# Altium PCB VFDDriver.PcbDoc
Units mm, origin at the board's own origin, x right, y up, seen from the top; angles counter-clockwise.
Board outline 167.77 x 28.19 mm, 2 copper layers (Top Layer, Bottom Layer); 75 components, 100 nets, 288 pads, 108 vias.
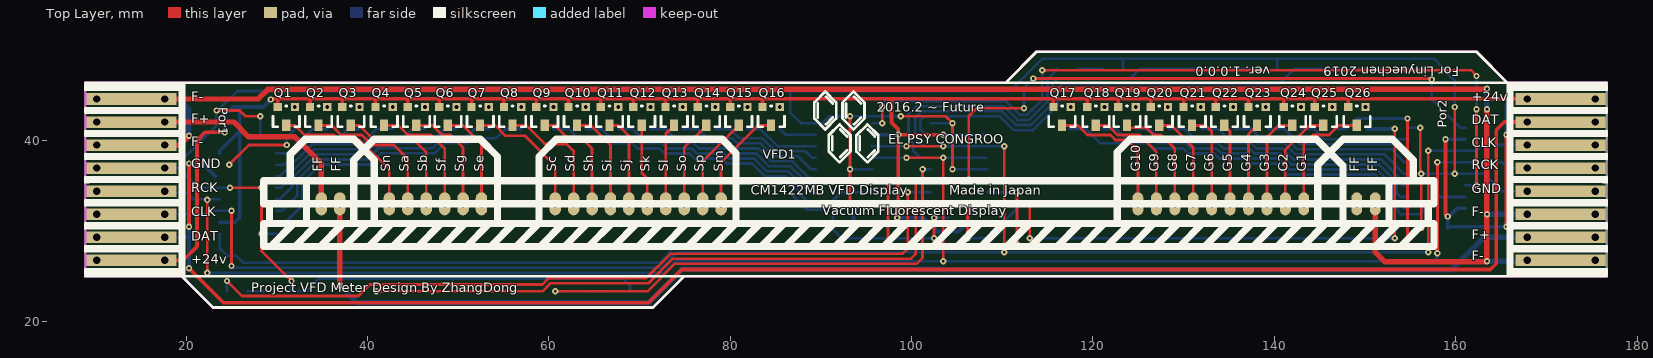
[diagram p0: Top Layer view]
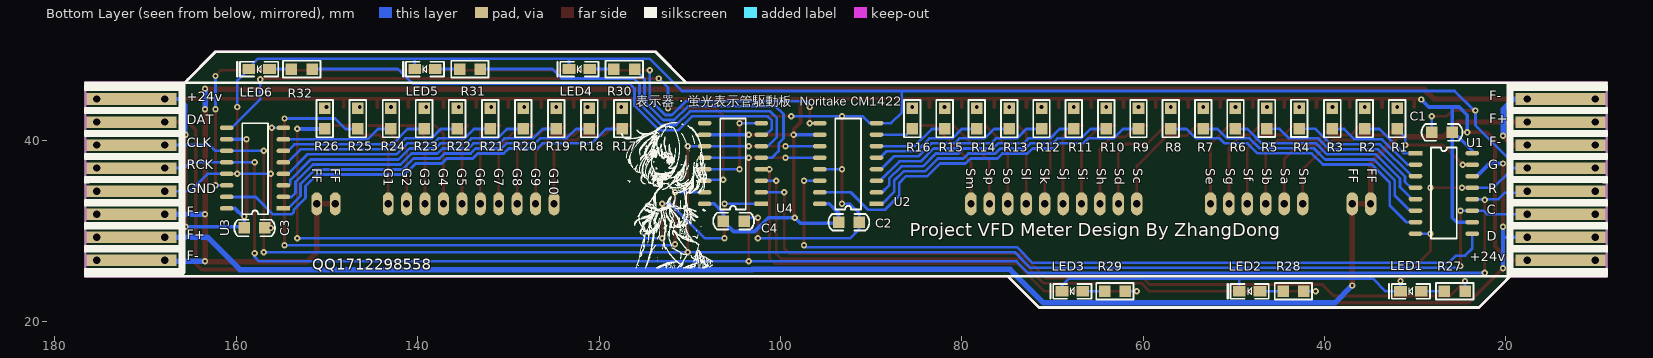
[diagram p1: Bottom Layer view, seen from below]
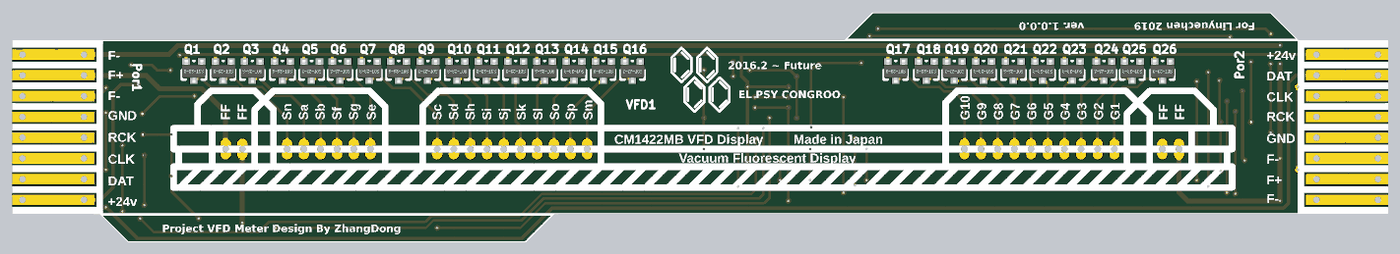
[diagram p2: 3D render of the assembled board from above, using the file's embedded part models]
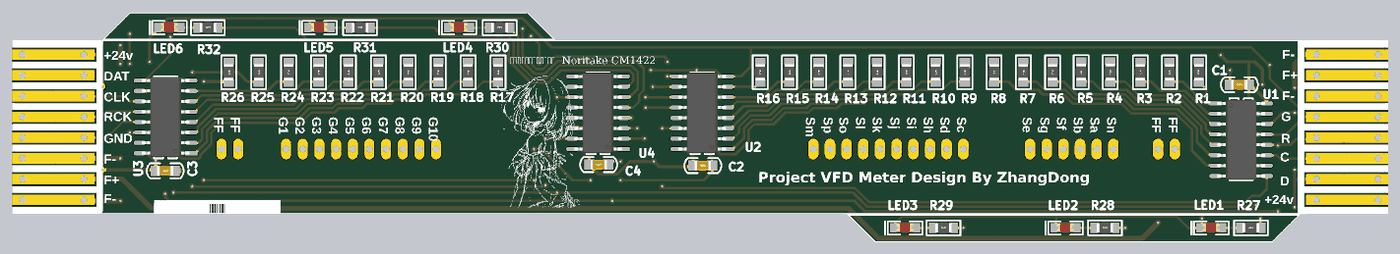
[diagram p3: 3D render of the assembled board from below, using the file's embedded part models]

## Layer stack, top to bottom
Top Solder: solder mask 0.0102, Solder Resist, Dk 3.5
Top Layer: signal copper 0.0356
Dielectric 1: dielectric 0.32, FR-4, Dk 4.8
Bottom Layer: signal copper 0.0356
Bottom Solder: solder mask 0.0102, Solder Resist, Dk 3.5

## Board outline
22.987,21.59 19.558,25.019 8.89,25.019 8.89,46.355 110.363,46.355 113.792,49.784 162.306,49.784 165.735,46.355 176.657,46.355 176.657,25.019 74.93,25.019 71.501,21.59

## Design rules (kind name [scope] priority, off if disabled: settings)
Clearance [All] p1: gap=0.254 ignorepadtopadclearanceinfootprint=FALSE except(0: Arc-Hole Track-Hole SMDPad-Hole THPad-Hole Via-Hole Fill-Hole Poly-Hole Region-Hole Text-Hole)
PolygonConnect [All] p1: connectstyle=Relief reliefconductorwidth=0.254 reliefentries=4 polygonreliefangle="90 Angle" airgapwidth=0.254
RoutingVias [All] p1: holewidth=0.3 width=0.7 viastyle="Through Hole" minholewidth=0.2 minwidth=0.6 maxholewidth=5 maxwidth=5
SolderMaskExpansion [All] p1: expansion=0.102
Width [All] p1: maxlimit=1 minlimit=0.3 preferedwidth=0.3
30 further rules are at their usual default settings.

## Components (designator, comment, footprint, x,y, rotation, side; value= is the part's Value field where it differs from the comment)
C1 "104" "C 0805" 27.051,40.894 r180 bottom
C2 "104" "C 0805" 92.456,30.988 r0 bottom
C3 "104" "C 0805" 157.988,30.353 r0 bottom
C4 "104" "C 0805" 105.156,31.115 r0 bottom
LED1 "LED" 0805D 29.337,23.368 r0 bottom
LED2 "LED" 0805D 47.117,23.368 r0 bottom
LED3 "LED" 0805D 66.675,23.368 r0 bottom
LED4 "LED" 0805D 121.031,47.879 r0 bottom
LED5 "LED" 0805D 138.049,47.879 r0 bottom
LED6 "LED" 0805D 156.337,47.879 r0 bottom
Por1 "P1" FP8 10.16,26.797 r90 top
Por2 "P2" FP8 175.387,44.577 r270 top
Q1 "PNP" SOT-23 30.988,41.656 r180 top
Q2 "PNP" SOT-23 34.552,41.656 r180 top
Q3 "PNP" SOT-23 38.117,41.656 r180 top
Q4 "PNP" SOT-23 41.783,41.656 r180 top
Q5 "PNP" SOT-23 45.339,41.656 r180 top
Q6 "PNP" SOT-23 48.81,41.656 r180 top
Q7 "PNP" SOT-23 52.375,41.656 r180 top
Q8 "PNP" SOT-23 55.939,41.656 r180 top
Q9 "PNP" SOT-23 59.504,41.656 r180 top
Q10 "PNP" SOT-23 63.068,41.656 r180 top
Q11 "PNP" SOT-23 66.633,41.656 r180 top
Q12 "PNP" SOT-23 70.197,41.656 r180 top
Q13 "PNP" SOT-23 73.762,41.656 r180 top
Q14 "PNP" SOT-23 77.326,41.656 r180 top
Q15 "PNP" SOT-23 80.891,41.656 r180 top
Q16 "PNP" SOT-23 84.455,41.656 r180 top
Q17 "PNP" SOT-23 116.535,41.656 r180 top
Q18 "PNP" SOT-23 120.269,41.656 r180 top
Q19 "PNP" SOT-23 123.698,41.656 r180 top
Q20 "PNP" SOT-23 127.254,41.656 r180 top
Q21 "PNP" SOT-23 130.886,41.656 r180 top
Q22 "PNP" SOT-23 134.442,41.656 r180 top
Q23 "PNP" SOT-23 138.049,41.656 r180 top
Q24 "PNP" SOT-23 141.935,41.656 r180 top
Q25 "PNP" SOT-23 145.364,41.656 r180 top
Q26 "PNP" SOT-23 149.047,41.656 r180 top
R1 "1K" "R 0805" 32.004,42.418 r90 bottom
R2 "1K" "R 0805" 35.568,42.418 r90 bottom
R3 "1K" "R 0805" 39.133,42.418 r270 bottom
R4 "1K" "R 0805" 42.799,42.433 r270 bottom
R5 "1K" "R 0805" 46.355,42.433 r270 bottom
R6 "1K" "R 0805" 49.826,42.418 r270 bottom
R7 "1K" "R 0805" 53.391,42.418 r270 bottom
R8 "1K" "R 0805" 56.955,42.418 r270 bottom
R9 "1K" "R 0805" 60.52,42.418 r270 bottom
R10 "1K" "R 0805" 64.084,42.418 r270 bottom
R11 "1K" "R 0805" 67.649,42.418 r270 bottom
R12 "1K" "R 0805" 71.213,42.418 r270 bottom
R13 "1K" "R 0805" 74.778,42.418 r270 bottom
R14 "1K" "R 0805" 78.342,42.418 r270 bottom
R15 "1K" "R 0805" 81.907,42.418 r270 bottom
R16 "1K" "R 0805" 85.471,42.418 r270 bottom
R17 "1K" "R 0805" 117.424,42.418 r270 bottom
R18 "1K" "R 0805" 121.071,42.418 r270 bottom
R19 "1K" "R 0805" 124.717,42.418 r270 bottom
R20 "1K" "R 0805" 128.363,42.418 r270 bottom
R21 "1K" "R 0805" 132.009,42.418 r270 bottom
R22 "1K" "R 0805" 135.656,42.418 r270 bottom
R23 "1K" "R 0805" 139.302,42.418 r270 bottom
R24 "1K" "R 0805" 142.948,42.418 r270 bottom
R25 "1K" "R 0805" 146.595,42.418 r270 bottom
R26 "1K" "R 0805" 150.241,42.418 r270 bottom
R27 "1K" "R 0805" 25.654,23.368 r180 bottom
R28 "1K" "R 0805" 43.434,23.368 r180 bottom
R29 "1K" "R 0805" 63.119,23.368 r180 bottom
R30 "1K" "R 0805" 117.221,47.879 r180 bottom
R31 "1K" "R 0805" 134.239,47.879 r180 bottom
R32 "1K" "R 0805" 152.781,47.879 r180 bottom
U1 "74LS595" SOP-16 26.797,34.163 r180 bottom
U2 "74LS595" SOP-16 92.583,37.465 r0 bottom
U3 "74LS595" SOP-16 157.988,36.957 r0 bottom
U4 "74LS595" SOP-16 105.283,37.466 r0 bottom
VFD1 "CM1422MB" VFD2.5 28.575,28.321 r0 top locked

## Footprints (in the part's own frame and the unit in brackets; to place one, negate y for a bottom-side part, rotate by r counter-clockwise, add the part's x,y. Pads: shape width x height; smd on the part's side, far side on the other; paste and mask are expansions set on the pad)
0805D [mil]
  rect 55x45 smd: 1(0,0) 2(90,0)
  silkscreen extent -38,-32 140,32, body extent 6,-27 86,23, height 43
"C 0805" [mil] "无极性贴片电容"
  rect 50x50 smd: 1(-45,0) 2(45,0)
  silkscreen extent -89,-36 89,36, body extent -39,-24 39,24, height 20
FP8 [mm]
  rect 1.27x5.08 hole 0.8 copper offset 0,-1.27: 1(0,0) 2(2.54,0) 3(5.08,0) 4(7.62,0) 5(10.16,0) 6(12.7,0) 7(15.24,0) 8(17.78,0)
  rect 1.27x5.08 hole 0.8 copper offset 0,1.27: 1(0,-7.493) 2(2.54,-7.493) 3(5.08,-7.493) 4(7.62,-7.493) 5(10.16,-7.493) 6(12.7,-7.493) 7(15.24,-7.493) 8(17.78,-7.493)
  silkscreen extent -1.52,-9.4 19.3,1.27
"R 0805" [mil] "1/8W贴片电阻"
  rect 50x50 smd: 1(-45,0) 2(45,0)
  silkscreen extent -81,-36 81,36, body extent -39,-25 39,25, height 20
SOP-16 [mm]
  rect 1.5x0.5 smd: 1(-3.175,4.445)
  oval 1.5x0.5 smd: 2(-3.175,3.175) 3(-3.175,1.905) 4(-3.175,0.635) 5(-3.175,-0.635) 6(-3.175,-1.905) 7(-3.175,-3.175) 8(-3.175,-4.445) 9(3.079,-4.445) 10(3.079,-3.175) 11(3.079,-1.905) 12(3.079,-0.635) 13(3.079,0.635) 14(3.079,1.905) 15(3.079,3.175) 16(3.079,4.445)
  silkscreen extent -1.46,-4.95 1.37,5.08, body extent -2.95,-4.9 2.85,4.9, height 1.75
SOT-23 [mil]
  rect 36x50 smd: 1(-2,0)
  rect 36x36 smd: 2(35,-80) 3(-40,-80)
  silkscreen extent -60,-85 55,5, body extent -60,-90 54,20, height 47
VFD2.5 [mil]
  oval 50x100 hole 31.5: 0(250,185) 0(330,185) 1(545,185) 2(625,185) 3(705,185) 4(785,185) 5(865,185) 6(945,185) 7(1265,185) 8(1345,185) 9(1425,185) 10(1505,185) 11(1585,185) 12(1665,185) 13(1745,185) 14(1825,185) 15(1905,185) 16(1985,185)
  oval 47.24x100 hole 31.5: 17(3795,185) 18(3875,185) 19(3955,185) 20(4035,185) 21(4115,185) 22(4195,185) 23(4275,185) 24(4355,185) 25(4435,185) 26(4515,185) 27(4745,185) 27(4825,185)
  silkscreen extent 0,0 5080,465

## Part data
C1 C2 C3 C4: library part C, "无极性贴片电容"
Por1 Por2: library part Header
R1 R2 R3 R4 R5 R6 R7 R8 R9 R10 R11 R12 R13 R14 R15 R16 R17 R18 R19 R20 R21 R22 R23 R24 R25 R26 R27 R28 R29 R30 R31 R32: library part R, "贴片电阻"
LED1 LED2 LED3 LED4 LED5 LED6: LatestRevisionDate=08-Jul-2005, LatestRevisionNote="Mech Layer 1 removed.", PackageDescription="LED; 2 Leads", PackageReference=LED-0, Published=8-Jun-2000, Publisher="Altium Limited"

## Via types
v1: diameter 0.7, hole 0.3, Top Layer to Bottom Layer, tented both sides, 80 vias
v2: diameter 0.8, hole 0.4, Top Layer to Bottom Layer, tented both sides, 26 vias
v3: diameter 0.7, hole 0.3, Top Layer to Bottom Layer, 2 vias

## Nets (pads, with @x,y where several pads share a name; then routed paths per layer and width w, separated by ;. In a path a pad name is that pad's centre, name@x,y a point inside that pad or via, vN(x,y) a via of type N, cw(c..) or ccw(c..) an arc to the next point about the centre after c; other vN are vias at no path point)
+24V: C1.2 C2.2 C3.2 C4.2 Por1.1 Por2.1 Q1.2 Q2.2 Q3.2 Q4.2 Q5.2 Q6.2 Q7.2 Q8.2 Q9.2 Q10.2 Q11.2 Q12.2 Q13.2 Q14.2 Q15.2 Q16.2 Q17.2 Q18.2 Q19.2 Q20.2 Q21.2 Q22.2 Q23.2 Q24.2 Q25.2 Q26.2 U1.10 U1.16 U2.10 U2.16 U3.10 U3.16 U4.10 U4.16 | length 292.5
  Top Layer w0.4: Por1.1@17.653,26.797 19.685,26.797 21.209,28.321 21.209,40.005 22.098,40.894 v1(24.257,40.894) ; v1(29.337,44.515) 29.422,44.599 30.099,44.599 ; Q1.2 30.099,44.599 ; 30.734,44.599 30.099,44.599 ; Q2.2 33.663,44.481 33.782,44.599 ; Q3.2 37.228,44.489 37.338,44.599 ; Q4.2 40.894,44.472 41.021,44.599 ; Q5.2 44.45,44.599 ; Q6.2 47.921,44.515 48.006,44.599 ; Q7.2 51.486,44.523 51.562,44.599 ; Q8.2 55.05,44.404 55.245,44.599 ; Q9.2 58.615,44.54 58.674,44.599 ; Q10.2 62.179,44.548 62.23,44.599 ; Q11.2 65.744,44.557 65.786,44.599 ; Q12.2 69.308,44.565 69.342,44.599 ; Q13.2 72.873,44.574 72.898,44.599 ; Q14.2 76.437,44.582 76.454,44.599 ; Q15.2 80.002,44.591 80.01,44.599 ; Q16.2 83.566,44.599 ; v1(98.425,31.496) 98.552,31.623 v1(98.552,40.64) ; v1(103.505,40.641) v1(98.552,40.64) v1(98.552,40.64) ; Q17.2 115.646,44.523 115.57,44.599 ; Q18.2 119.38,44.576 119.403,44.599 ; Q19.2 122.809,44.472 122.936,44.599 ; Q20.2 126.365,44.599 ; Q21.2 129.997,44.523 129.921,44.599 ; Q22.2 133.553,44.548 133.604,44.599 ; Q23.2 137.16,44.599 ; Q24.2 141.046,44.523 140.97,44.599 ; Q25.2 144.475,44.548 144.526,44.599 ; Q26.2 148.158,44.548 148.209,44.599 ; v1(158.877,40.132) 158.877,31.877 v1(159.131,31.623) ; v3(165.608,30.48) v3(165.608,40.64) ; Por2.1@167.894,44.577 167.894,44.599 148.209,44.599 ; 30.099,44.599 33.782,44.599 ; 33.782,44.599 37.338,44.599 ; 37.338,44.599 41.021,44.599 ; 41.021,44.599 44.45,44.599 ; 44.45,44.599 48.006,44.599 ; 48.006,44.599 51.562,44.599 ; 51.562,44.599 55.245,44.599 ; 55.245,44.599 58.674,44.599 ; 58.674,44.599 62.23,44.599 ; 62.23,44.599 65.786,44.599 ; 65.786,44.599 69.342,44.599 ; 69.342,44.599 72.898,44.599 ; 72.898,44.599 76.454,44.599 ; 76.454,44.599 80.01,44.599 ; 80.01,44.599 83.566,44.599 ; 83.566,44.599 97.812,44.599 ; 97.812,44.599 97.79,44.577 97.79,41.987 98.552,41.225 v1(98.552,40.64) ; 97.812,44.599 115.57,44.599 ; 115.57,44.599 119.403,44.599 ; 119.403,44.599 122.936,44.599 ; 122.936,44.599 126.365,44.599 ; 126.365,44.599 129.921,44.599 ; 129.921,44.599 133.604,44.599 ; 133.604,44.599 137.16,44.599 ; 137.16,44.599 140.97,44.599 ; 140.97,44.599 144.526,44.599 ; 144.526,44.599 148.209,44.599
  Bottom Layer w0.4: U1.10 25.4,30.988 25.908,31.496 C1.2 C1.2@25.908,41.059 ; U1.16 23.718,38.869 C1.2@25.908,41.059 ; v1(24.257,40.894) 24.257,42.799 25.146,43.688 25.908,43.688 ; v1(29.337,44.515) 29.329,44.515 28.502,43.688 25.908,43.688 ; U2.16 94.615,33.02 93.599,32.004 C2.2 93.599,30.861 97.79,30.861 v1(98.425,31.496) 101.34,31.496 102.864,29.972 105.171,29.972 106.299,31.1 C4.2 106.299,32.004 107.316,33.021 U4.16 ; U2.10 v1(98.552,40.64) ; v1(103.505,40.641) U4.10 ; v1(158.877,40.132) U3.10 ; v1@159.131,31.496 C3.2 159.258,30.48 v3(165.608,30.48) ; v1@159.195,31.559 160.147,32.512 U3.16 ; v3(165.608,40.64) 165.608,43.942 166.243,44.577 Por2.1@167.894,44.577 ; C1.2@25.908,41.059 25.908,43.688
CLK: Por1.3 Por2.3 U1.11 U2.11 U3.11 U4.11 | length 195.2
  Top Layer w0.3: v1@25.019,26.035 v1(25.019,26.162) v1(25.019,32.258) ; v1(99.441,39.371) v1(103.505,39.37) v1(103.505,39.37) ; v1(110.236,27.686) v1(110.236,39.37) ; v1(156.972,27.686) v1(156.972,38.862)
  Bottom Layer w0.3: Por1.3@17.653,31.877 22.098,31.877 22.479,32.258 U1.11 v1(25.019,32.258) ; v1(25.019,26.162) 25.227,25.954 72.436,25.954 74.168,27.686 v1(110.236,27.686) 156.845,27.686 156.972,27.813 v1(156.972,27.686) ; U2.11 95.663,39.371 v1(99.441,39.371) ; v1(103.505,39.37) U4.11@108.235,39.37 ; U4.11 v1(110.236,39.37) v1(110.236,39.37) ; v1(156.972,38.862) U3.11 162.306,38.862 162.941,39.497 Por2.3@167.894,39.497
DAT: Por1.2 Por2.2 U1.14 | length 183.8
  Top Layer w0.4: v1(20.32,25.908) 24.13,22.098 70.993,22.098 74.676,25.781 163.83,25.781 164.465,26.416 164.465,41.148 165.354,42.037 Por2.2@167.894,42.037 ; v1(20.32,30.48) v1(20.32,37.465)
  Bottom Layer w0.4: Por1.2@17.653,29.337 20.32,29.337 ; v1(20.32,25.908) 20.32,29.337 ; v1(20.32,30.48) 20.32,29.337 ; v1(20.32,37.465) 21.812,37.465 U1.14@23.241,36.036
F+: Por1.7 Por2.7 VFD1.0 | length 169.4
  Top Layer w0.6: Por1.7@17.653,42.037 25.273,42.037 26.909,40.401 31.989,40.401 34.925,37.465 34.925,33.02 36.957,33.02 v1(36.957,24.003)
  Bottom Layer w0.6: v1(36.957,24.003) 38.862,22.098 70.993,22.098 74.676,25.781 103.116,25.781 103.131,25.766 159.624,25.766 163.195,29.337 Por2.7@167.894,29.337
F-: Por1.6 Por1.8 Por2.6 Por2.8 VFD1.27 | length 203.5
  Top Layer w0.6: Por1.6@17.653,39.497 19.304,39.497 v1(20.32,40.513) ; Por1.8@17.653,44.577 27.94,44.577 29.014,45.651 163.38,45.651 v1(163.449,45.72) ; VFD1.27@149.098,33.02 151.13,33.02 151.13,27.686 152.168,26.648 163.427,26.648 v1(163.449,26.67) v1(163.449,31.877) v1(163.449,43.434)
  Bottom Layer w0.6: Por1.8@17.653,44.577 19.177,44.577 20.32,43.434 v1(20.32,40.513) ; v1(163.449,26.67) 167.767,26.67 Por2.8@167.894,26.797 ; v1(163.449,31.877) Por2.6@167.894,31.877 ; v1(163.449,43.434) v1(163.449,45.72)
G1: Q26.1 VFD1.26 | length 13.3
  Top Layer w0.3: VFD1.26 143.256,39.601 144.272,40.617 146.04,40.617 147.079,41.656 Q26.1
G2: Q25.1 VFD1.25 | length 11.3
  Top Layer w0.3: VFD1.25 141.224,38.989 143.891,41.656 Q25.1
G3: Q24.1 VFD1.24 | length 10.7
  Top Layer w0.3: VFD1.24 139.192,40.386 140.462,41.656 Q24.1
G4: Q23.1 VFD1.23 | length 9
  Top Layer w0.3: VFD1.23 137.16,40.716 Q23.1
G5: Q22.1 VFD1.22 | length 8.9
  Top Layer w0.3: Q22.1 135.128,41.021 VFD1.22
G6: Q21.1 VFD1.21 | length 10.4
  Top Layer w0.3: Q21.1 132.461,41.656 133.096,41.021 VFD1.21
G7: Q20.1 VFD1.20 | length 11
  Top Layer w0.3: Q20.1 128.651,41.656 131.064,39.243 VFD1.20
G8: Q19.1 VFD1.19 | length 12.4
  Top Layer w0.3: Q19.1 124.003,41.402 125.895,41.402 126.68,40.617 127.508,40.617 129.032,39.093 VFD1.19
G9: Q18.1 VFD1.18 | length 13.6
  Top Layer w0.3: Q18.1 121.666,41.656 122.705,40.617 125.118,40.617 127,38.735 VFD1.18
G10: Q17.1 VFD1.17 | length 15.4
  Top Layer w0.3: Q17.1 118.364,41.656 119.403,40.617 121.922,40.617 122.476,40.063 123.767,40.063 124.968,38.862 VFD1.17
GND: C1.1 C2.1 C3.1 C4.1 LED1.2 LED2.2 LED3.2 LED4.2 LED5.2 LED6.2 Por1.5 Por2.5 U1.8 U1.13 U2.8 U2.13 U3.8 U3.13 U4.8 U4.13 | length 323.5
  Top Layer w0.3: v1(23.368,43.307) 25.908,43.307 26.543,42.672 v1(28.194,42.672) ; v1(24.854,34.798) v1(28.321,34.798) v1(28.321,29.718) 28.321,27.813 v1(31.623,24.511) ; v1(93.218,33.021) v1(93.218,36.83) v1(93.218,42.672) ; v1(98.806,42.672) 103.759,42.672 v1(104.521,41.91) v1(104.521,36.83) ; v1(102.489,29.21) v1(102.489,31.496) ; v1(156.083,41.402) 156.083,36.449 v1(156.21,36.322) v1(156.21,30.353) ; v1(159.893,36.322) v1(159.893,43.688)
  Bottom Layer w0.3: Por1.5@17.653,36.957 19.558,36.957 ; v1(24.854,34.798) U1.13 21.35,34.798 19.558,36.59 19.558,36.957 ; C1.1@28.194,40.513 C1.1 v1(28.194,42.672) ; v1(28.321,29.718) U1.8 ; v1(31.623,24.511) LED1.2 33.278,23.368 34.675,24.765 49.403,24.765 ; LED2.2 49.403,24.765 ; LED3.2 68.961,24.003 68.199,24.765 49.403,24.765 ; v1(93.218,33.021) 92.33,33.021 91.313,32.004 C2.1 91.313,30.226 92.329,29.21 v1(102.489,29.21) ; v1(93.218,36.83) U2.13 ; v1(98.806,42.672) v1(93.218,42.672) 90.932,42.672 90.17,41.91 U2.8 87.792,41.91 86.614,43.088 86.614,45.466 ; U4.8 v1(104.521,41.91) v1(104.521,41.91) ; v1(102.489,31.496) C4.1@104.013,31.496 ; v1(104.521,36.83) v1(104.521,36.83) U4.13 ; LED4.2 123.317,48.895 123.19,49.022 ; LED5.2 140.335,48.895 140.462,49.022 ; U3.8 v1(156.083,41.402) ; v1(156.21,36.322) v1(159.893,36.322) U3.13 163.195,36.322 165.1,34.417 Por2.5@167.894,34.417 ; v1(159.893,43.688) 159.893,46.609 LED6.2 158.623,48.006 157.607,49.022 140.462,49.022 ; 19.558,36.957 19.558,37.846 23.368,41.656 v1(23.368,43.307) 23.495,43.307 25.654,45.466 86.614,45.466 ; 86.614,45.466 110.871,45.466 114.427,49.022 123.19,49.022 ; 123.19,49.022 140.462,49.022
NetLED1_1: LED1.1 R27.1 | length 2.5
  Bottom Layer w0.3: R27.1 LED1.1
NetLED2_1: LED2.1 R28.1 | length 2.5
  Bottom Layer w0.3: R28.1 LED2.1
NetLED3_1: LED3.1 R29.1 | length 2.4
  Bottom Layer w0.3: R29.1 LED3.1
NetLED4_1: LED4.1 R30.1 | length 2.7
  Bottom Layer w0.3: R30.1 LED4.1
NetLED5_1: LED5.1 R31.1 | length 2.7
  Bottom Layer w0.3: R31.1 LED5.1
NetLED6_1: LED6.1 R32.1 | length 2.4
  Bottom Layer w0.3: R32.1 LED6.1
NetQ1_3: Q1.3 R1.2
  other v2: 32.004,43.688
NetQ2_3: Q2.3 R2.2
  other v2: 35.568,43.688
NetQ3_3: Q3.3 R3.1
  other v2: 39.133,43.688
NetQ4_3: Q4.3 R4.1
  other v2: 42.799,43.688
NetQ5_3: Q5.3 R5.1
  other v2: 46.355,43.688
NetQ6_3: Q6.3 R6.1
  other v2: 49.826,43.688
NetQ7_3: Q7.3 R7.1
  other v2: 53.391,43.688
NetQ8_3: Q8.3 R8.1
  other v2: 56.955,43.688
NetQ9_3: Q9.3 R9.1
  other v2: 60.52,43.688
NetQ10_3: Q10.3 R10.1
  other v2: 64.084,43.688
NetQ11_3: Q11.3 R11.1
  other v2: 67.649,43.688
NetQ12_3: Q12.3 R12.1
  other v2: 71.213,43.688
NetQ13_3: Q13.3 R13.1
  other v2: 74.778,43.688
NetQ14_3: Q14.3 R14.1
  other v2: 78.342,43.688
NetQ15_3: Q15.3 R15.1
  other v2: 81.907,43.688
NetQ16_3: Q16.3 R16.1
  other v2: 85.471,43.688
NetQ17_3: Q17.3 R17.1
  other v2: 117.551,43.688
NetQ18_3: Q18.3 R18.1
  other v2: 121.285,43.688
NetQ19_3: Q19.3 R19.1
  other v2: 124.714,43.688
NetQ20_3: Q20.3 R20.1
  other v2: 128.27,43.688
NetQ21_3: Q21.3 R21.1
  other v2: 131.902,43.688
NetQ22_3: Q22.3 R22.1
  other v2: 135.458,43.688
NetQ23_3: Q23.3 R23.1
  other v2: 139.065,43.688
NetQ24_3: Q24.3 R24.1
  other v2: 142.951,43.688
NetQ25_3: Q25.3 R25.1
  other v2: 146.38,43.688
NetQ26_3: Q26.3 R26.1
  other v2: 150.063,43.688
NetU1_9: U1.9 U2.14 | length 85.6
  Top Layer w0.3: v1(97.409,28.448) v1(97.409,35.56)
  Bottom Layer w0.3: U1.9 23.718,28.091 24.504,27.305 25.527,27.305 26.324,26.508 72.207,26.508 73.939,28.24 97.201,28.24 v1(97.409,28.448) ; U2.14 v1(97.409,35.56)
NetU2_9: U2.9 U3.14 | length 87
  Top Layer w0.3: v1(96.774,41.91) v1(96.774,43.688) ; v1(114.427,47.752) 161.671,47.752 v1(162.306,47.117) ; v1(162.306,35.052) v1(162.306,43.434)
  Bottom Layer w0.3: U2.9 v1(96.774,41.91) ; v1(96.774,43.688) 96.774,43.942 97.158,44.326 110.437,44.326 111.956,42.807 112.707,42.807 114.427,44.527 v1(114.427,47.752) ; U3.14 v1(162.306,35.052) ; v1(162.306,43.434) v1(162.306,47.117)
NetU3_9: U3.9 U4.14 | length 70.4
  Top Layer w0.3: v1(106.299,35.687) 106.299,42.672 107.188,43.561 v1(112.395,43.561) ; v1(113.411,46.84) 157.249,46.84 v1(157.353,46.736)
  Bottom Layer w0.3: v1(106.299,35.687) U4.14@108.362,35.687 ; v1(112.395,43.561) 112.395,45.824 v1(113.411,46.84) ; v1(157.353,46.736) 157.353,44.577 160.528,41.402 U3.9
Q1: R1.1 U1.15 | length 9.4
  Top Layer w0.3: v1(24.765,37.338) 26.924,39.497 v1(31.115,39.497)
  Bottom Layer w0.3: v1(31.115,39.497) 31.115,40.386 R1.1
Q2: R2.1 U1.1 | length 6.7
  Bottom Layer w0.3: U1.1 31.292,38.608 33.959,41.275 R2.1
Q3: R3.2 U1.2 | length 10.8
  Bottom Layer w0.3: U1.2 30.861,37.338 33.655,40.132 36.703,40.132 37.846,41.275 R3.2
Q4: R4.2 U1.3 | length 15
  Bottom Layer w0.3: U1.3 30.374,36.068 33.884,39.578 39.277,39.578 40.99,41.29 R4.2
Q5: R5.2 U1.4 | length 19.4
  Bottom Layer w0.3: U1.4 30.48,34.798 31.126,35.444 31.126,36.036 34.114,39.024 39.507,39.024 40.734,40.251 43.934,40.251 44.973,41.29 R5.2
Q6: R6.2 U1.5 | length 23.6
  Bottom Layer w0.3: U1.5 30.353,33.528 31.68,34.855 31.68,35.807 34.343,38.47 39.736,38.47 40.964,39.698 46.937,39.698 48.514,41.275 R6.2
Q7: R7.2 U1.6 | length 28.1
  Bottom Layer w0.3: U1.6 30.607,32.258 32.258,33.909 32.258,35.601 34.573,37.916 39.966,37.916 41.193,39.143 47.166,39.143 48.258,40.236 50.777,40.236 51.816,41.275 R7.2
Q8: R8.2 U1.7 | length 32.7
  Bottom Layer w0.3: U1.7 30.988,30.988 32.812,32.812 32.812,35.372 34.802,37.362 40.195,37.362 41.423,38.59 47.395,38.59 48.488,39.682 51.006,39.682 51.56,40.236 54.193,40.236 55.232,41.275 R8.2
Q9: R9.2 U2.15 | length 40.4
  Bottom Layer w0.3: R9.2 62.243,41.275 63.282,40.236 66.063,40.236 66.617,39.682 69.241,39.682 69.795,39.128 72.208,39.128 72.762,38.574 75.535,38.574 76.089,38.02 79.053,38.02 79.607,37.466 82.42,37.466 83.84,36.046 86.191,36.046 86.903,35.334 86.903,33.954 88.491,32.366 90.325,32.366 92.249,34.29 U2.15
Q10: R10.2 U2.1 | length 29.5
  Bottom Layer w0.3: R10.2 65.807,41.275 66.846,40.236 69.471,40.236 70.025,39.682 72.438,39.682 72.992,39.128 75.764,39.128 76.318,38.574 79.282,38.574 79.836,38.02 82.65,38.02 84.07,36.6 86.42,36.6 87.457,35.563 87.457,34.336 88.773,33.02 U2.1
Q11: R11.2 U2.2 | length 25.1
  Bottom Layer w0.3: R11.2 69.215,41.275 70.254,40.236 72.667,40.236 73.221,39.682 75.994,39.682 76.548,39.128 79.807,39.128 80.361,38.574 82.879,38.574 84.299,37.154 86.65,37.154 88.011,35.793 88.011,35.052 88.773,34.29 U2.2
Q12: R12.2 U2.3 | length 20.6
  Bottom Layer w0.3: R12.2 72.898,41.275 73.937,40.236 76.223,40.236 76.777,39.682 80.036,39.682 80.59,39.128 83.109,39.128 84.529,37.708 86.879,37.708 89.027,35.56 U2.3
Q13: R13.2 U2.4 | length 16.5
  Bottom Layer w0.3: R13.2 76.454,41.275 77.493,40.236 80.266,40.236 80.82,39.682 83.338,39.682 84.758,38.262 87.468,38.262 88.9,36.83 U2.4
Q14: R14.2 U2.5 | length 12.4
  Bottom Layer w0.3: R14.2 80.01,41.275 81.049,40.236 83.568,40.236 84.988,38.816 88.311,38.816 89.027,38.1 U2.5
Q15: R15.2 U2.6 | length 8.3
  Bottom Layer w0.3: R15.2 83.312,41.275 85.217,39.37 U2.6
Q16: R16.2 U2.7 | length 4.2
  Bottom Layer w0.3: R16.2 86.106,40.64 U2.7
Q17: R17.2 U3.15 | length 49.3
  Bottom Layer w0.3: R17.2 119.229,41.275 120.822,39.682 126.264,39.682 126.818,39.128 129.965,39.128 130.519,38.574 133.382,38.574 133.936,38.02 136.798,38.02 137.352,37.466 140.215,37.466 141.427,36.254 151.106,36.254 152.365,34.995 152.365,33.669 153.659,32.375 153.659,32.095 153.896,31.858 155.937,31.858 157.861,33.782 U3.15
Q18: R18.2 U3.1 | length 38.2
  Bottom Layer w0.3: R18.2 122.555,41.275 123.571,40.259 123.571,40.236 126.494,40.236 127.048,39.682 130.194,39.682 130.748,39.128 133.611,39.128 134.165,38.574 137.028,38.574 137.582,38.02 140.445,38.02 141.657,36.808 151.335,36.808 152.919,35.224 152.919,33.898 154.305,32.512 U3.1
Q19: R19.2 U3.2 | length 33.9
  Bottom Layer w0.3: R19.2 126.238,41.275 127.277,40.236 130.424,40.236 130.978,39.682 133.84,39.682 134.394,39.128 137.257,39.128 137.811,38.574 140.674,38.574 141.886,37.362 151.565,37.362 153.488,35.439 153.488,34.218 153.924,33.782 U3.2
Q20: R20.2 U3.3 | length 29.3
  Bottom Layer w0.3: R20.2 130.168,41.275 131.207,40.236 134.07,40.236 134.624,39.682 137.487,39.682 138.041,39.128 140.904,39.128 142.116,37.916 151.794,37.916 154.042,35.668 154.042,35.188 154.178,35.052 U3.3
Q21: R21.2 U3.4 | length 24.9
  Bottom Layer w0.3: R21.2 133.814,41.275 134.853,40.236 137.716,40.236 138.27,39.682 141.133,39.682 142.345,38.47 152.178,38.47 154.326,36.322 U3.4
Q22: R22.2 U3.5 | length 20.7
  Bottom Layer w0.3: R22.2 137.461,41.275 138.5,40.236 141.363,40.236 142.575,39.024 152.919,39.024 154.351,37.592 U3.5
Q23: R23.2 U3.6 | length 16.5
  Bottom Layer w0.3: R23.2 141.107,41.275 142.804,39.578 153.589,39.578 154.305,38.862 U3.6
Q24: R24.2 U3.7 | length 12.3
  Bottom Layer w0.3: R24.2 144.399,41.275 145.542,40.132 U3.7
Q25: R25.2 U4.15 | length 74.7
  Top Layer w0.3: v1(111.633,28.575) v1(111.633,34.29) ; v1(154.686,28.448) v1(154.686,42.418)
  Bottom Layer w0.3: U4.15 108.363,34.29 v1(111.633,34.29) ; v1(111.633,28.575) 111.633,28.448 v1(154.686,28.448) ; R25.2 147.955,41.275 149.098,42.418 v1(154.686,42.418)
Q26: R26.2 U4.1 | length 75.6
  Top Layer w0.3: v1(106.171,33.021) v1(106.172,29.21) v1(106.172,29.21) ; v1(113.03,29.21) 113.03,33.013 v1(113.037,33.02) ; v1(153.289,29.21) v1(153.289,41.29)
  Bottom Layer w0.3: U4.1 105.919,33.021 106.045,32.895 v1(106.171,33.021) ; v1(106.172,29.21) 108.331,29.21 112.141,33.02 v1(113.037,33.02) ; v1(113.03,29.21) v1(153.289,29.21)
  Bottom Layer w0.4: R26.2 153.274,41.275 v1(153.289,41.29)
Q27: R27.2 U4.2 | length 87.8
  Top Layer w0.3: v1(24.511,24.511) 26.162,22.86 38.989,22.86 40.259,24.13 59.288,24.13 59.969,24.811 70.742,24.811 73.455,27.524 99.025,27.524 99.568,28.067 v1(99.568,34.29)
  Bottom Layer w0.3: R27.2 v1(24.511,24.511) ; v1(99.568,34.29) v1(99.568,34.29) U4.2
Q28: R28.2 U4.3 | length 72.2
  Top Layer w0.3: v1(40.99,23.368) 59.309,23.368 60.198,24.257 70.972,24.257 73.685,26.97 99.949,26.97 100.457,27.478 v1(100.457,35.56)
  Bottom Layer w0.3: v1(40.99,23.368) R28.2 ; v1(100.457,35.56) v1(100.457,35.56) U4.3
Q29: R29.2 U4.4 | length 54
  Top Layer w0.3: v1(60.706,23.368) 70.866,23.368 73.914,26.416 100.584,26.416 101.219,27.051 v1(101.219,36.83)
  Bottom Layer w0.3: v1(60.706,23.368) R29.2 ; v1(101.219,36.83) U4.4 U4.4
Q30: R30.2 U4.5 | length 27.7
  Bottom Layer w0.3: U4.5 100.93,38.101 100.195,38.836 100.195,39.683 99.662,40.216 99.662,42.901 100.533,43.772 110.207,43.772 111.726,42.253 112.937,42.253 114.981,44.297 114.981,46.782 R30.2
Q31: R31.2 U4.6 | length 41.7
  Bottom Layer w0.3: U4.6 101.396,39.371 100.4,40.367 100.4,42.488 101.13,43.218 109.978,43.218 111.497,41.699 113.166,41.699 115.535,44.068 115.535,46.228 116.147,46.84 124.119,46.84 125.158,47.879 R31.2
Q32: R32.2 U4.7 | length 57.7
  Bottom Layer w0.3: U4.7 101.599,40.641 100.954,41.286 100.954,42.182 101.436,42.664 109.748,42.664 111.267,41.145 113.396,41.145 116.089,43.838 116.089,45.731 116.644,46.286 140.583,46.286 142.176,47.879 R32.2
RCK: Por1.4 Por2.4 U1.12 U2.12 U3.12 U4.12 | length 195.7
  Top Layer w0.3: v1(22.352,25.4) v1(22.352,33.449) ; v1(99.441,38.1) v1(103.505,38.1) v1(103.505,26.67) v1@103.505,26.543 ; v1(157.988,27.552) v1(157.988,37.592)
  Bottom Layer w0.3: Por1.4@17.653,34.417 17.826,34.244 20.112,34.244 20.828,33.528 v1@22.273,33.528 ; v1(22.352,25.4) 72.702,25.4 73.972,26.67 v1(103.505,26.67) 157.48,26.67 157.988,27.178 v1(157.988,27.552) ; v1(22.352,33.449) v1@22.273,33.528 ; U1.12 v1@22.273,33.528 ; U2.12 v1(99.441,38.1) ; v1(103.505,38.1) U4.12@108.235,38.1 ; v1(157.988,37.592) U3.12 165.124,37.592 165.759,36.957 Por2.4@167.894,36.957
Sa: Q2.1 VFD1.2 | length 16.3
  Top Layer w0.3: Q2.1 36.068,41.656 37.107,40.617 39.372,40.617 40.48,39.509 42.914,39.509 44.45,37.973 VFD1.2
Sb: Q3.1 VFD1.3 | length 15.2
  Top Layer w0.3: Q3.1 39.116,41.656 40.709,40.063 45.154,40.063 46.482,38.735 VFD1.3
Sc: Q7.1 VFD1.7 | length 14.3
  Top Layer w0.3: Q7.1 54.102,41.656 55.245,40.513 57.404,40.513 60.706,37.211 VFD1.7
Sd: Q8.1 VFD1.8 | length 13.7
  Top Layer w0.3: Q8.1 57.531,41.656 59.563,39.624 61.976,39.624 62.738,38.862 VFD1.8
Se: Q6.1 VFD1.6 | length 11.2
  Top Layer w0.3: Q6.1 50.546,41.656 52.578,39.624 VFD1.6
Sf: Q4.1 VFD1.4 | length 13.8
  Top Layer w0.3: Q4.1 43.434,41.656 44.473,40.617 47.013,40.617 48.514,39.116 VFD1.4
Sg: Q5.1 VFD1.5 | length 12.4
  Top Layer w0.3: Q5.1 47.198,41.656 48.237,40.617 49.149,40.617 50.546,39.22 VFD1.5
Sh: Q9.1 VFD1.9 | length 12.4
  Top Layer w0.3: Q9.1 60.706,41.656 61.976,40.386 63.5,40.386 64.77,39.116 VFD1.9
Si: Q10.1 VFD1.10 | length 11.1
  Top Layer w0.3: Q10.1 64.643,41.656 66.802,39.497 VFD1.10
Sj: Q11.1 VFD1.11 | length 10.1
  Top Layer w0.3: Q11.1 67.691,41.656 68.834,40.513 VFD1.11
Sk: Q12.1 VFD1.12 | length 8.9
  Top Layer w0.3: Q12.1 70.248,36.432 70.866,35.814 VFD1.12
Sl: Q13.1 VFD1.13 | length 9
  Top Layer w0.3: VFD1.13 72.898,40.742 Q13.1
Sm: Q16.1 VFD1.16 | length 11.8
  Top Layer w0.3: VFD1.16 78.994,37.592 83.058,41.656 Q16.1
Sn: Q1.1 VFD1.1 | length 17.2
  Top Layer w0.3: Q1.1 32.004,41.656 33.043,40.617 36.324,40.617 36.878,40.063 39.142,40.063 42.418,36.787 VFD1.1
So: Q14.1 VFD1.14 | length 9.6
  Top Layer w0.3: VFD1.14 74.93,39.209 Q14.1
Sp: Q15.1 VFD1.15 | length 10.3
  Top Layer w0.3: VFD1.15 76.962,37.677 Q15.1
pads on no net: U4.9

## Keep-outs
Keep-Out Layer:
  the board outline again, w0.3

## Silkscreen, mask and mechanical layers (free items; w line width, h text height)
Top Overlay:
  lines w0.3: 8.89,25.019 176.657,25.019 ; 8.89,46.355 176.657,46.355 ; 19.558,25.019 22.987,21.59 71.501,21.59 74.93,25.019 ; 19.812,25.654 19.812,24.765 20.066,24.511 ; 19.812,45.466 19.812,46.355 ; 89.662,42.545 89.662,44.069 ; 90.551,41.783 91.313,42.545 ; 90.551,44.831 91.313,44.069 ; 91.249,38.925 91.249,40.45 ; 92.138,38.163 92.9,38.925 ; 92.138,41.212 92.9,40.45 ; 92.773,42.545 92.773,44.069 ; 93.662,41.783 94.424,42.545 ; 93.662,44.831 94.424,44.069 ; 94.297,38.925 94.297,40.45 ; 95.186,38.163 95.948,38.925 ; 95.186,41.212 95.948,40.45 ; 110.363,46.355 113.792,49.784 162.306,49.784 165.735,46.355 165.735,45.593 ; 165.735,25.019 165.735,25.654 ; 89.281,42.418 90.487,41.212 91.694,42.418 91.694,44.196 90.487,45.402 89.281,44.196 89.281,42.418 ; 90.868,38.798 90.868,40.576 92.075,41.783 93.281,40.576 93.281,38.798 92.075,37.592 90.868,38.798 ; 92.392,42.418 92.392,44.196 93.599,45.402 94.805,44.196 94.805,42.418 93.599,41.212 92.392,42.418 ; 93.916,38.798 93.916,40.576 95.123,41.783 96.329,40.576 96.329,38.798 95.123,37.592 93.916,38.798
  text "ver. 1.0.0.0" at 139.573,48.514 h1.8 r180
  text "For Linyuechen 2019" at 160.401,48.514 h1.8 r180
  text "F-" at 20.574,43.942 h1.8
  text "+24v" at 161.798,43.942 h1.8
  text "2016.2 ~ Future" at 96.139,42.799 h1.8
  text "F+" at 20.574,41.529 h1.8
  text "DAT" at 161.798,41.402 h1.8
  text "EL PSY CONGROO" at 97.409,39.243 h1.8
  text "F-" at 20.574,38.989 h1.8
  text "CLK" at 161.798,38.862 h1.8
  text "GND" at 20.574,36.576 h1.8
  text "RCK" at 161.798,36.449 h1.8
  text "RCK" at 20.574,33.909 h1.8
  text "GND" at 161.798,33.782 h1.8
  text "CLK" at 20.574,31.242 h1.8
  text "F-" at 161.798,31.242 h1.8
  text "F+" at 161.798,28.702 h1.8
  text "DAT" at 20.574,28.575 h1.8
  text "F-" at 161.798,26.416 h1.8
  text "+24v" at 20.574,26.035 h1.8
  text "Project VFD Meter Design By ZhangDong" at 27.178,22.86 h1.8
Bottom Overlay:
  drawing of 9949 lines, arcs and shapes, not listed
  text "F-" at 21.844,44.069 h1.8
  text "+24v" at 165.481,43.942 h1.8
  text "表示器・蛍光表示管駆動板  Noritake CM1422" at 115.951,43.434 h1.8
  text "F+" at 21.844,41.529 h1.8
  text "DAT" at 165.481,41.402 h1.8
  text "F-" at 21.844,38.989 h1.8
  text "CLK" at 165.481,38.862 h1.8
  text "FF" at 35.687,36.957 h1.8 r90
  text "FF" at 37.719,36.957 h1.8 r90
  text "Sn" at 43.18,36.957 h1.8 r90
  text "Sa" at 45.212,36.957 h1.8 r90
  text "Sb" at 47.244,36.957 h1.8 r90
  text "Sf" at 49.276,36.957 h1.8 r90
  text "Sg" at 51.308,36.957 h1.8 r90
  text "Se" at 53.467,36.957 h1.8 r90
  text "Sc" at 61.468,36.957 h1.8 r90
  text "Sd" at 63.5,36.957 h1.8 r90
  text "Sh" at 65.532,36.957 h1.8 r90
  text "Si" at 67.564,36.957 h1.8 r90
  text "Sj" at 69.596,36.957 h1.8 r90
  text "Sk" at 71.755,36.957 h1.8 r90
  text "Sl" at 73.787,36.957 h1.8 r90
  text "So" at 75.819,36.957 h1.8 r90
  text "Sp" at 77.724,36.957 h1.8 r90
  text "Sm" at 79.883,36.957 h1.8 r90
  text "G10" at 125.857,36.957 h1.8 r90
  text "G9" at 127.889,36.957 h1.8 r90
  text "G8" at 129.921,36.957 h1.8 r90
  text "G7" at 131.953,36.957 h1.8 r90
  text "G6" at 133.985,36.957 h1.8 r90
  text "G5" at 136.017,36.957 h1.8 r90
  text "G4" at 138.049,36.957 h1.8 r90
  text "G3" at 140.081,36.957 h1.8 r90
  text "G2" at 142.113,36.957 h1.8 r90
  text "G1" at 144.145,36.957 h1.8 r90
  text "FF" at 149.987,36.957 h1.8 r90
  text "FF" at 152.019,36.957 h1.8 r90
  text "G" at 21.971,36.449 h1.8
  text "RCK" at 165.481,36.449 h1.8
  text "R" at 21.971,33.782 h1.8
  text "GND" at 165.481,33.782 h1.8
  text "C" at 22.098,31.496 h1.8
  text "F-" at 165.481,31.242 h1.8
  text "Project VFD Meter Design By ZhangDong" at 85.725,28.931 h2.5
  text "F+" at 165.481,28.702 h1.8
  text "D" at 22.098,28.575 h1.8
  text "F-" at 165.481,26.416 h1.8
  text "+24v" at 24.003,26.289 h1.8
  text "QQ1712298558" at 151.638,25.756 h1.2

## Dimensions
176.657,46.355 to 8.89,46.355 on Top Overlay
71.501,21.59 to 162.306,49.784 on Top Overlay
22.987,21.59 to 8.89,46.355 on Top Overlay
8.89,46.355 to 8.89,25.019 on Top Overlay

## Text inside footprints (layer, text, board x,y; h text height)
VFD1: Top Overlay "Vacuum Fluorescent Display" at 90.17,31.369 h1.8; Top Overlay "Made in Japan" at 104.14,33.655 h1.8; Top Overlay "CM1422MB VFD Display" at 82.296,33.655 h1.8; Top Overlay "G10" at 125.603,36.576 h1.8 r90; Top Overlay "G9" at 127.635,36.576 h1.8 r90; Top Overlay "G8" at 129.667,36.576 h1.8 r90; Top Overlay "G7" at 131.699,36.576 h1.8 r90; Top Overlay "G6" at 133.731,36.576 h1.8 r90; Top Overlay "G5" at 135.763,36.576 h1.8 r90; Top Overlay "G4" at 137.795,36.576 h1.8 r90; Top Overlay "FF" at 35.433,36.576 h1.8 r90; Top Overlay "FF" at 37.465,36.576 h1.8 r90; Top Overlay "Sn" at 42.926,36.576 h1.8 r90; Top Overlay "Sa" at 44.958,36.576 h1.8 r90; Top Overlay "Sb" at 46.99,36.576 h1.8 r90; Top Overlay "Sf" at 49.022,36.576 h1.8 r90; Top Overlay "Sg" at 51.054,36.576 h1.8 r90; Top Overlay "Se" at 53.213,36.576 h1.8 r90; Top Overlay "Sc" at 61.214,36.576 h1.8 r90; Top Overlay "Sd" at 63.246,36.576 h1.8 r90; Top Overlay "Sh" at 65.278,36.576 h1.8 r90; Top Overlay "Si" at 67.31,36.576 h1.8 r90; Top Overlay "Sj" at 69.342,36.576 h1.8 r90; Top Overlay "Sk" at 71.501,36.576 h1.8 r90; Top Overlay "Sl" at 73.533,36.576 h1.8 r90; Top Overlay "So" at 75.565,36.576 h1.8 r90; Top Overlay "Sp" at 77.47,36.576 h1.8 r90; Top Overlay "Sm" at 79.629,36.576 h1.8 r90; Top Overlay "G1" at 143.891,36.576 h1.8 r90; Top Overlay "G2" at 141.859,36.576 h1.8 r90; Top Overlay "G3" at 139.827,36.576 h1.8 r90; Top Overlay "FF" at 149.733,36.576 h1.8 r90; Top Overlay "FF" at 151.765,36.576 h1.8 r90